# KiCad board rkh.kicad_pcb (continued)
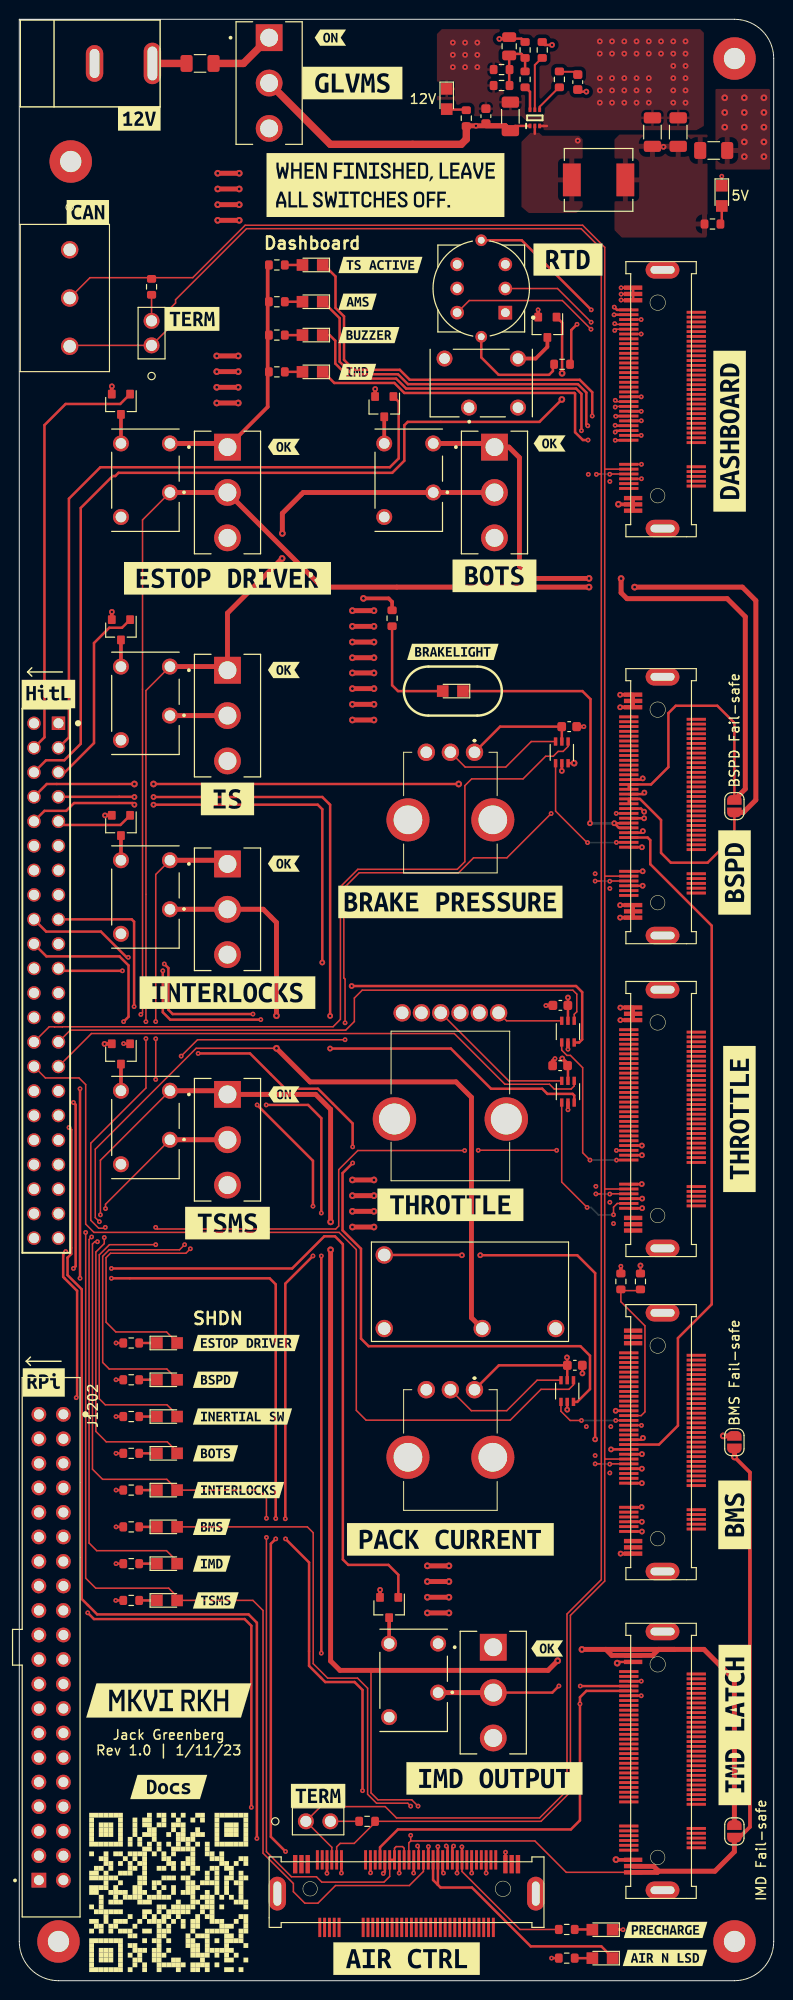
[diagram p0: board, top side]
## Routing (per net, layer and track width the routed paths; a pad name or vN(x,y) marks a point on that pad's centre or on a via; arc(x,y) is an arc through that point) (continued)
/Service Section/SHDN_SENSE_INTERLOCKS: length 238.6
  Top w0.152: v2(25.63,45.92) 25.63,13.36 28.22,10.77 30.81,10.77 31.37,10.21 37.82,10.21 38.41,10.8 J1101.15 ; v2(8.31,78.63) 7.88,79.05 7.88,86.14 18.34,96.6 v3(26.67,96.6) ; J1101.16 38.91,13.72 39.08,13.89 39.74,13.89 39.91,13.72 J1101.18 ; v2(25.63,47.9) 25.63,50.06 24.87,50.83 16.42,50.83 15.3,51.94 8.64,51.94 7.59,52.99 7.59,76.32 7.82,76.56 v2(8.1,76.56)
  Top w0.254: J1101.15 J1101.16
  Top w0.508: K1101.2 46.89,68.68 46.89,91.52 45.29,93.12 30.15,93.12 v3(26.67,96.6) ; K501.2 SW501.2 25.3,111 26.67,109.63 v3(26.67,99.97) ; JP501.1 74.15,56.44 v3(73,56.44)
  In2.Cu w0.152: v2(8.31,78.63) 8.1,78.43 v2(8.1,76.56) ; v2(25.63,45.92) v2(25.63,47.9)
  In2.Cu w0.508: v3(26.67,99.97) v3(26.67,96.6) ; v3(73,56.44) 73,61.57 71.63,62.94 61.21,62.94 58.32,65.84 48.87,65.84 48.01,66.7 K1101.2
/Service Section/SHDN_SENSE_TSMS: length 122.7
  Top w0.152: J1101.22 41.91,11.32 40.45,9.86 32.79,9.86 30.96,8.03 29.62,8.03 28.42,9.22 28.42,10.07 25.28,13.21 25.28,38.35 24.23,39.4 16.42,39.4 16.42,39.74 15.49,40.67 7.92,40.67 6.88,41.71 v2(6.88,77.52) ; v2(8.94,79.98) 8.94,80.44 K202.2
  Top w0.508: K202.2 SW202.2
  In2.Cu w0.152: v2(8.94,79.98) 7.62,79.98 6.88,79.25 v2(6.88,77.52)
Net-(C1003-Pad1): length 1.9
  Top w0.2: 56.01,197.76 57.84,197.76 57.91,197.7
Net-(C1003-Pad2): length 7.1
  Top w0.254: v1(58.8,195.71) 58.79,195.7 57.91,195.7 ; U1001.2 53.46,191.35
  In2.Cu w0.254: v1(57.91,190.63) 58.8,191.52 v1(58.8,195.71)
Net-(C1004-Pad1): length 6.6
  Top w0.254: 50.8,196.34 50.8,199.62 52.07,199.62 52.45,199.24 52.45,197.76
Net-(C1004-Pad2): length 28.7
  Top w0.254: 52.45,200.81 52.07,201.19 49.81,201.19 v1(49.78,201.17)
  In2.Cu w0.254: v1(49.78,201.17) 56.77,201.17 59.56,198.37 65.66,198.37 66.8,197.23 v1(66.8,189.99)
Net-(D401-Pad1): length 1.7
  Top w0.254: 12.56,66.07 14.22,66.07
Net-(D402-Pad1): length 1.7
  Top w0.254: 12.56,62.26 14.22,62.26
Net-(D403-Pad1): length 1.7
  Top w0.254: 14.22,58.45 12.56,58.45
Net-(D404-Pad1): length 1.7
  Top w0.254: 14.22,54.64 12.56,54.64
Net-(D503-Pad1): length 1.7
  Top w0.254: 14.22,50.83 12.56,50.83
Net-(D504-Pad1): length 1.7
  Top w0.254: 14.22,47.02 12.56,47.02
Net-(D506-Pad1): length 1.7
  Top w0.254: 14.22,43.21 12.56,43.21
Net-(D507-Pad1): length 1.7
  Top w0.254: 14.22,39.4 12.56,39.4
Net-(D601-Pad2): length 11.4
  Top w0.254: 38.66,140.2 38.66,134.21 39.27,133.6 43.86,133.6
Net-(D801-Pad2): length 1.7
  Top w0.254: 29.32,173.94 27.66,173.94
Net-(D802-Pad2): length 1.7
  Top w0.254: 29.32,166.67 27.66,166.67
Net-(D804-Pad2): length 1.7
  Top w0.254: 27.66,177.75 29.32,177.75
Net-(D805-Pad2): length 1.7
  Top w0.254: 27.66,170.48 29.32,170.48
Net-(D901-Pad2): length 1.7
  Top w0.254: 57.72,2.34 59.38,2.34
Net-(D902-Pad2): length 1.7
  Top w0.254: 57.72,5.31 59.35,5.31 59.38,5.28
Net-(D1001-Pad2): length 2.1
  Top w0.254: 46.35,193.74 46.25,193.84 44.32,193.84
Net-(D1002-Pad2): length 1.9
  Top w0.254: 72.85,183.81 72.85,182.17 72.67,181.99
Net-(F201-Pad2): length 6.8
  Top w0.762: SW201.1 23.24,198.63 20.23,198.63
Net-(J202-Pad2): length 2.9
  Top w0.152: 35.12,16.51 J202.2
Net-(J203-Pad2): length 2.6
  Top w0.152: 13.72,174.53 J203.2
Net-(K202-Pad5): length 2.8
  Top w0.381: K202.5 Q202.3
Net-(K401-Pad5): length 3
  Top w0.381: K401.5 Q401.3
Net-(K402-Pad5): length 2.8
  Top w0.381: K402.5 Q402.3
Net-(K403-Pad5): length 2.8
  Top w0.381: K403.5 Q403.3
Net-(K501-Pad5): length 2.6
  Top w0.381: Q501.3 K501.5
Net-(K801-Pad5): length 4.5
  Top w0.381: K801.5 53.55,168.06 54.76,169.27 Q801.3
Net-(K1201-Pad5): length 2.7
  Top w0.381: Q1201.3 K1201.5
Net-(R805-Pad1): length 11.2
  Top w0.254: 55.34,167.46 55.34,166.77 54.94,166.37 49.71,166.37 47.9,168.17 SW802.L1
Net-(R1002-Pad1): length 3.2
  Top w0.2: U1001.4 53.96,194.14 56.01,196.19
Net-(R1003-Pad1): length 2.6
  Top w0.254: 52.45,196.19 52.96,195.68 U1001.6

## Copper pours and planes (outline as drawn; the poured copper is in the pictures)
+5V on Top: 78.99,187.63 72.19,187.63 72.19,195.99 78.99,195.99
+5V on In2.Cu: 84.28,-2.08 -4.17,-2.08 -4.17,205.54 84.28,205.54
GND on Top: 70.99,192.15 70.23,191.72 54.1,191.72 53.8,191.77 53.8,192.66 52.58,192.66 52.07,193.17 43.31,193.17 43.31,201.68 43.81,202.18 70.61,202.18 70.99,201.8
GND on Bottom, In1.Cu: -38.05,207.39 105.66,207.39 105.66,-4.06 -38.05,-4.06
Net-(C1003-Pad2) on Top: 53.72,191.64 54.23,191.13 58.04,191.13 58.42,190.75 58.42,183.77 57.78,183.13 52.83,183.13 52.07,183.77 52.07,190.5 53.21,191.64
Net-(C1004-Pad2) on Top: 71.37,181.1 71.25,180.59 62.48,180.59 61.72,181.36 61.72,190.75 62.23,191.26 71.37,191.26

## Text on the board
F.Silkscreen: Jack Greenberg / Rev 1.0 | 1/11/23 | 12V | 5V | BSPD Fail-safe | BMS Fail-safe | IMD Fail-safe | SHDN | Dashboard
